# KiCad board AMLDC-2044B (2).kicad_pcb (continued)
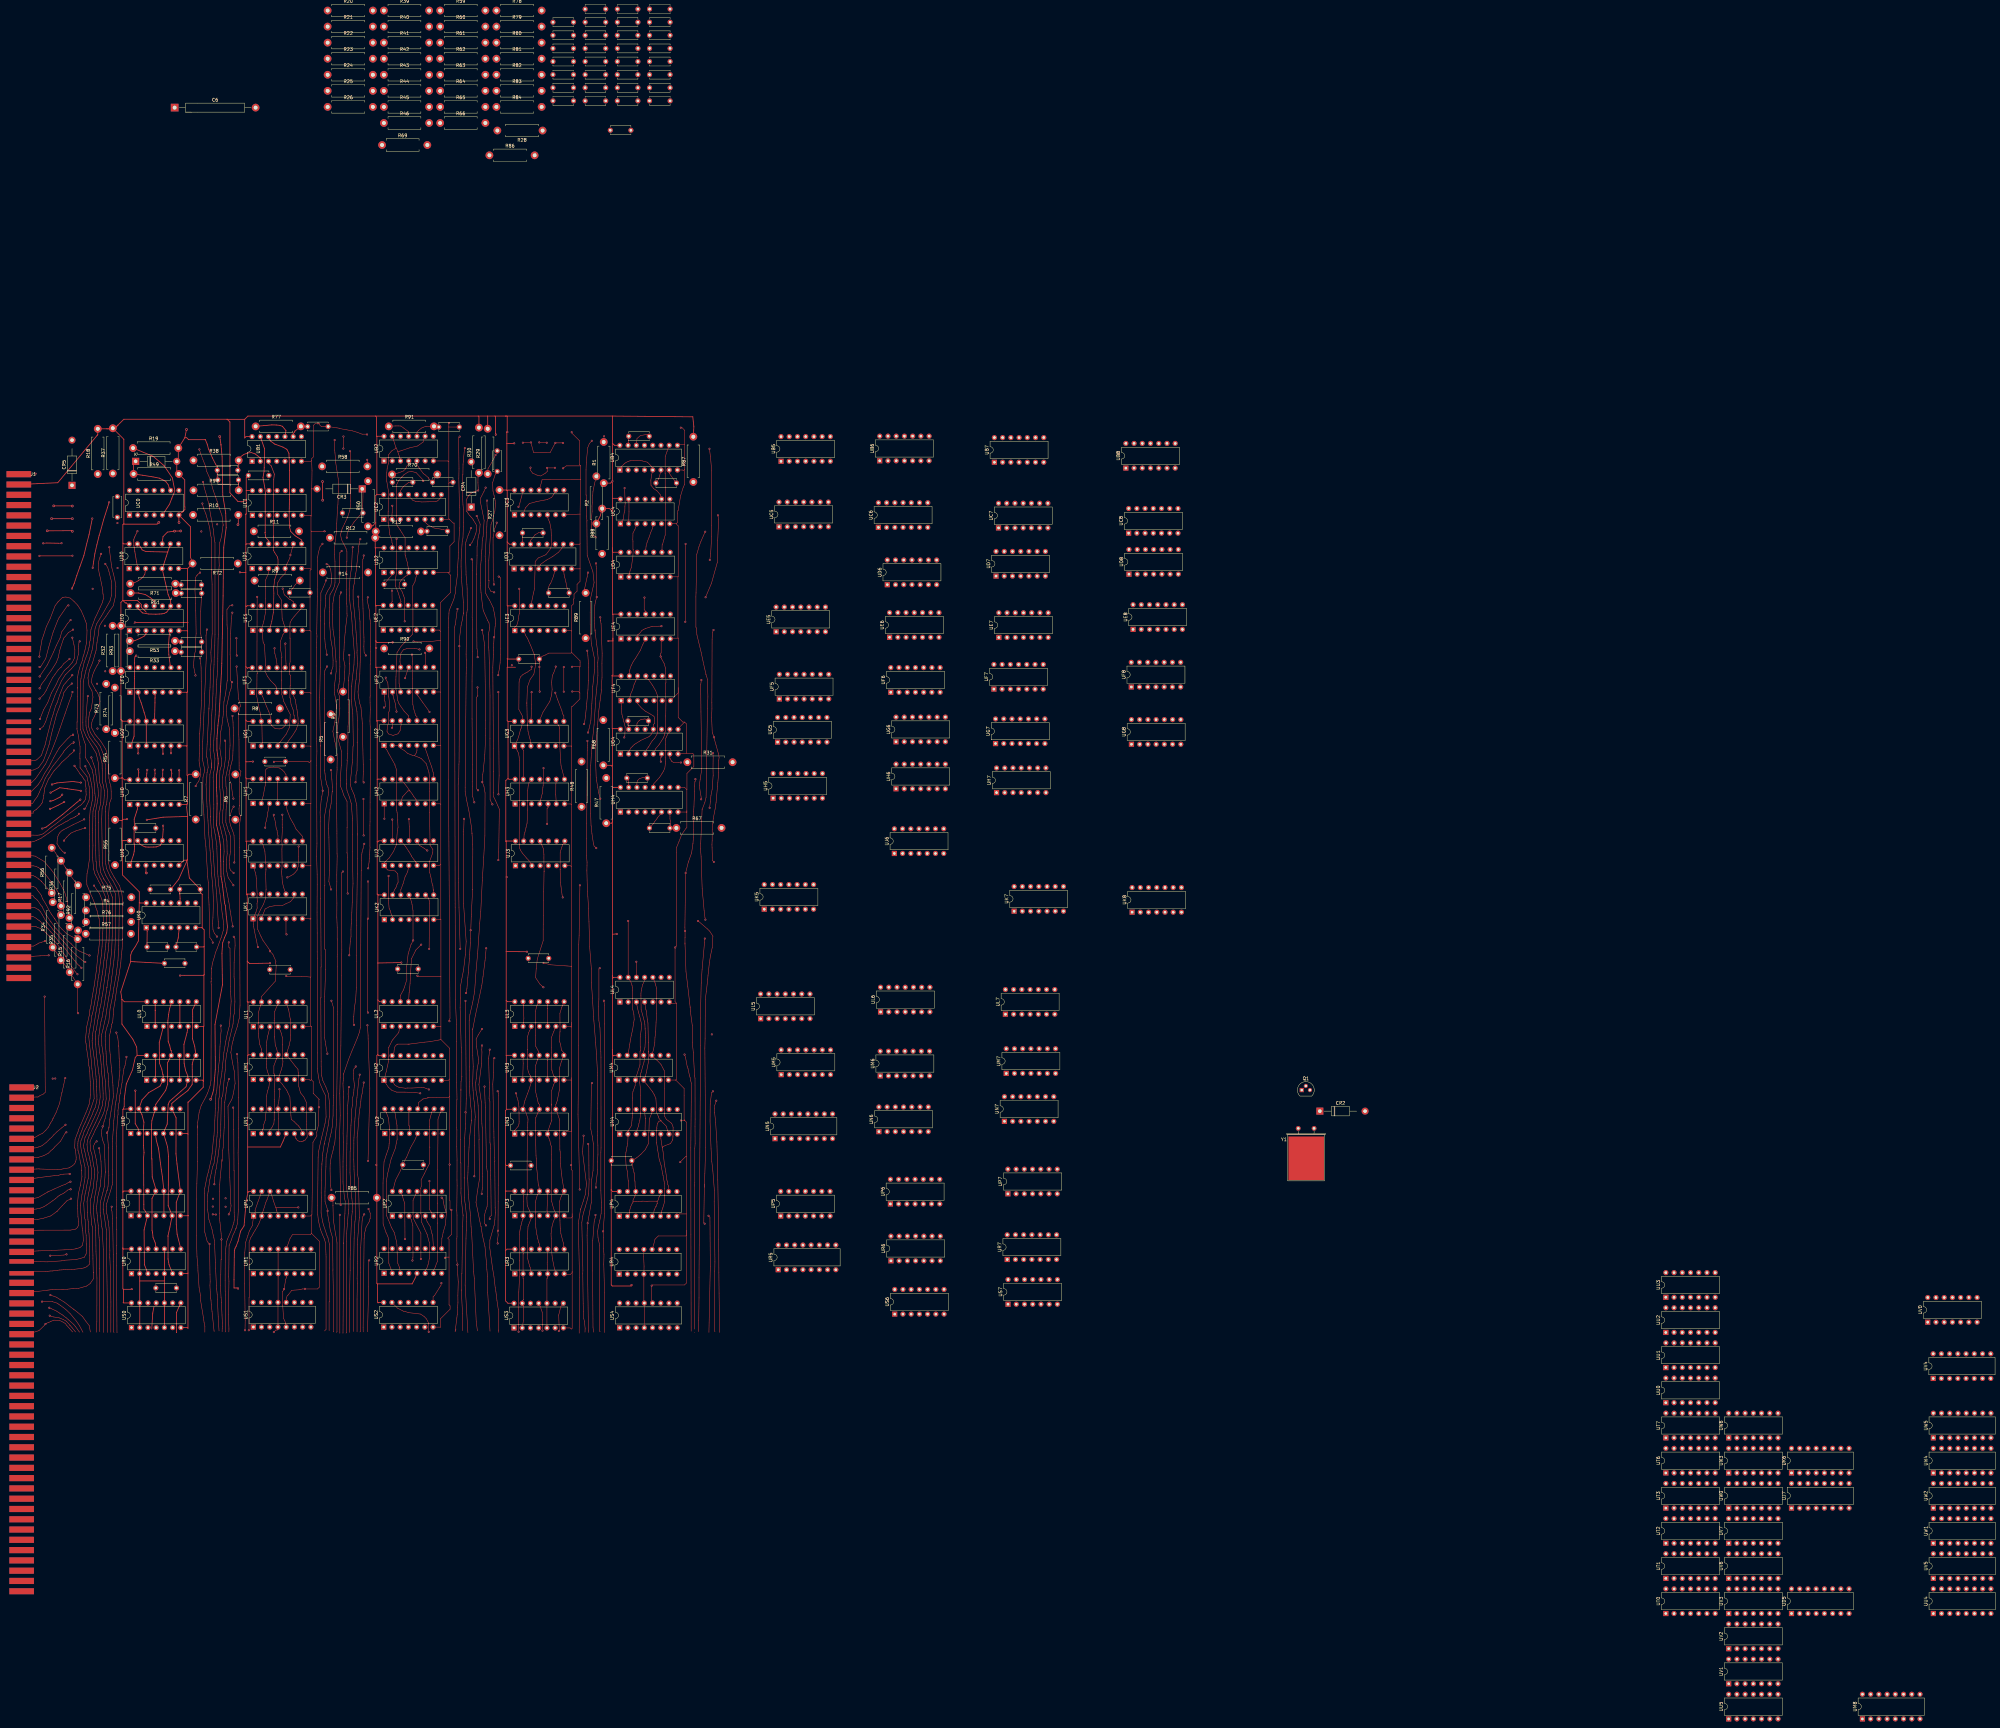
[diagram p0: board, top side]
## Routing (per net, layer and track width the routed paths; a pad name or vN(x,y) marks a point on that pad's centre or on a via; arc(x,y) is an arc through that point) (continued)
TRK6: length 21.4
  Top w0.15: 93.32,278.69 93.07,278.53 92.77,278.31 92.29,278.17 91.82,277.97 90.88,277.33 90.51,277.14 90.25,277.04 89.59,276.65 88.89,276.25 88.19,275.9 87.26,275.28 86.98,275.09 85.5,273.94 85.2,273.73 85.04,273.59 84.04,272.94 83.68,272.67 83.3,272.45 82.62,271.95 81.76,271.56 81.13,271.25 ; 81.16,271.26 80.38,270.95 J1.73 ; 94.29,279.54 v1(94.31,279.51) 94.29,279.41 93.94,279.07 93.2,278.61
UG4A: length 5.7
  Top w0.15: 280.39,295.44 280.28,295.34 v1(280.2,295.34) 280.2,295.25 279.52,295.27 277.87,295.39 277.35,295.74 277.32,295.74 277.15,296.08 276.85,296.6 276.77,296.69 UG4.7
WALLOUT: length 27.4
  Top w0.15: 92.72,301.57 v1(92.69,301.57) 92.72,301.32 91.95,301.14 90.85,300.11 89.72,298.91 89.45,298.39 88.67,297.33 87.13,295.3 86.36,294.36 85.61,293.26 85.08,292.38 84.66,291.7 83.91,290.49 82.95,288 82.42,286.93 82.11,286.16 81.53,284.92 80.69,283.78 80.04,282.77 J1.65
~{DCHM0}: length 142.3
  Top w0.15: v1(96.29,294.21) 96.98,292.58 97.55,291.52 98.26,288.46 98.33,287.87 98.53,286.12 98.62,285.18 98.43,283.71 98,281.5 97.8,280.71 97.63,278.48 97.64,277.4 97.61,273.22 97.6,271.44 97.63,269.78 97.63,269.32 97.55,265.45 97.26,263.43 97.01,261.75 96.81,261 96.73,258.77 96.78,257.56 97.26,256.46 97.78,255.07 98.4,253.72 99.18,251.87 99.36,251.05 99.9,249.62 100.26,248.08 100.55,247.07 100.72,245.24 100.8,244.16 100.71,241.56 100.68,240.08 100.38,237.26 100.12,235.4 99.8,231.91 99.67,230.93 99.02,226.34 98.43,223.07 98.03,220.32 97.71,218.94 97.54,217.39 96.7,213.63 96.39,210.4 96.33,209.22 96.52,208.57 96.72,206.78 97.21,203.57 97.37,201.84 97.49,201.19 97.66,199.89 97.8,196.75 97.95,195.7 97.85,192.68 97.75,191.63 97.47,189.85 96.9,188.3 96.52,187.31 94.94,183.63 94.27,182.13 94.04,181.31 93.78,180.7 93.11,178.89 93,176.48 93.1,176.14 93.27,175.63 93.47,173.4 93.44,172.66 93.33,172.21 93.03,171.48 92.38,170.86 91.27,170.17 89.41,169.86 88.81,169.73 87.62,169.63 82.11,169.83 81.83,169.86 81.29,169.83 J2.17
~{DCHP OUT}: length 8.7
  Top w0.15: J1.93 76.09,238.65 80.27,238.65 81.37,239.23 81.86,239.56 82.8,239.85 83.82,240.18 v1(83.82,240.23) 83.87,240.23 83.92,240.28
~{DCHR}: length 177
  Top w0.15: J2.35 76.63,141.27 84.61,141.15 88.84,141.44 89.86,141.64 93.41,141.86 94.81,142.21 95.98,142.59 96.49,143.48 96.55,143.7 96.73,144.6 96.67,146.36 96.56,146.93 96.55,149.37 96.35,150.68 96.23,154.13 96.04,154.82 95.8,159.23 95.93,160.09 96.22,162.15 96.49,163.26 96.63,164.22 97.2,166.99 97.2,170.55 96.62,172.81 96.11,175.32 95.85,176.25 95.74,177.09 96.22,179.59 96.86,180.75 97.29,181.96 97.95,183.3 98.59,184.71 99.55,186.77 100.06,187.93 100.32,188.72 100.68,190.3 100.88,192.05 100.63,197.97 100.48,199.4 99.97,203.19 99.72,205.3 99.5,208.3 99.35,209.73 99.36,210.26 99.37,210.73 99.5,212.29 99.72,212.88 100.1,215.56 100.43,217.07 100.76,219.26 101.08,220.54 101.4,222.69 101.65,223.94 102.18,227.97 102.41,229.65 102.74,232.11 102.92,234.09 103.38,237.26 103.36,238.65 103.56,239.54 103.62,240.4 103.79,248.14 103.69,248.24 103.69,250.64 103.69,251.1 103.59,252.74 103.6,253.27 103.43,254.1 103.18,254.83 102.83,255.83 102.36,256.96 101.68,258.09 101.56,258.26 101.12,259.26 100.83,259.72 99.88,261.98 99.66,264.63 99.6,264.7 99.48,268.25 99.46,269.72 99.42,274.71 99.44,275.88 99.42,277.99 99.32,278.69 99.52,280.38 99.94,282.82 100.06,283.58 100.34,285.25 100.21,287.53 99.99,288.38 99.83,289.86 99.56,291.68 99.46,292.94 99.21,293.9 98.75,295.13 v1(98.15,296.91)
~{INTP OUT}: length 9.5
  Top w0.15: J1.95 79.98,235.46 80.42,235.53 82.39,235.65 ; 85.07,235.72 v1(84.97,235.82) 84.27,235.78 83.71,235.71 82.3,235.64
~{INTR}: length 125.9
  Top w0.15: v1(98.99,257.33) 99.74,256.17 100.7,254.84 101.43,252.92 101.72,251 101.74,248.51 101.88,246.61 101.74,244.08 101.65,242.52 101.45,238.45 101.35,237.26 101.23,235.81 100.9,233.44 100.5,229.87 100.29,228.99 100.17,227.79 99.64,224.14 99.15,221.11 98.92,219.95 98.58,218.01 98.29,217.17 98.07,215.21 97.88,214.23 97.43,211.62 97.34,210.65 97.64,207.84 98,204.68 98.31,200.88 98.84,196.23 99.02,191.5 97.9,188.2 97.39,186.8 96.76,185.35 96.21,184.08 95.64,182.94 95.21,181.65 94.64,180.34 94.04,178.36 93.99,177.59 93.98,177.14 94.02,175.59 94.31,174.67 94.79,171.84 95,171.01 95.12,169.3 ; J2.29 76.97,150.91 91.67,150.94 93.32,151.27 93.83,151.73 94.09,152.26 94.24,153.62 94.01,155.09 93.95,157.58 93.81,158.45 94.15,162.2 94.79,164.91 ; 94.74,164.77 95.25,167.4 95.11,169.5
~{RQENB}: length 208
  Top w0.15: 101.35,277.85 101.48,281.21 102.01,282.93 102.13,285.11 102.14,286.68 101.89,288.29 101.58,289.23 101.56,292.75 101.49,293.47 101.48,295.03 100.33,299.12 99.77,300.19 97.57,303.19 96.93,304.78 96.57,306.06 96.5,306.69 96.48,308.12 96.52,309.29 96.94,315.15 v1(97.08,315.84) ; 101.36,277.95 101.56,264.5 101.58,264.29 101.84,262.4 102.61,260.5 104.55,257 105.67,254.66 105.56,240.99 105.55,240.92 105.43,237.59 105.37,236.81 105.11,234.11 104.98,233.09 104.48,229.14 104.14,226.41 103.84,224.43 103.62,223.25 102.94,219.21 102.64,217.04 101.75,212.95 101.36,211.44 101.35,210.63 101.39,207.96 101.71,205.94 101.76,205.38 101.82,204.55 102.25,198.64 102.48,196.92 102.74,191.45 102.54,190.06 102.21,187.95 101.71,186.55 100.57,184.21 99.94,182.9 99.35,181.87 98.81,180.56 98.17,179.37 97.74,178.22 97.89,175.55 98.29,174.49 98.87,170.79 99.17,169.66 99.15,168.15 98.89,165.38 98.72,163.92 98.12,161.08 97.78,160.09 97.97,156.28 98.27,152.69 98.43,151.96 98.64,143 98.64,142.25 98.74,137.8 98.76,137.85 98.77,135.9 97.78,134.44 96.7,133.67 94.12,132.94 92.49,132.9 90.77,132.7 89.5,132.68 89.12,132.62 86.04,132.59 80.75,131.91 77.49,132.38 J2.41
unconnected-(C14-Pad1): length 39.2
  Top w0.15: v1(222.54,347.9) 221.5,348.25 220.85,349.46 220.94,351.64 220.88,351.48 220.88,357.76 221.04,360.21 221.56,368.85 222.06,370.22 222.5,372.24 222.74,372.95 222.96,375.44 222.81,376.37 222.53,377.71 222.17,379.18 222.06,381.75 222.87,384.33 C14.1
unconnected-(J2-Pin_49-Pad49): length 18.5
  Top w0.15: 92.27,119.5 92.27,119.58 90.56,121.52 90.12,122.1 89.41,122.54 88.29,123.09 86.58,123.14 85.61,122.74 85.02,122.45 84.2,122.17 84.2,122.06 84.07,121.93 v1(83.96,121.93) 83.96,121.83 81.97,119.91 80.74,119.5 J2.49
unconnected-(R2-Pad2): length 19.4
  Top w0.15: v1(253.86,364.88) 253.09,365.52 252.69,366.76 252.55,368.88 252.52,369.58 252.78,372.94 252.75,374.53 252.85,375.56 252.98,377.77 253.04,379.07 253.23,379.94 253.46,381.21 R2.2
unconnected-(R3-Pad2): length 75.7
  Top w0.15: 176.97,354.4 176.96,354.39 ; 176.97,354.4 177.03,354.46 ; 176.97,354.4 177.03,354.46 ; R3.2 176.3,321.4 176.4,323.3 176.46,325.25 175.99,327.52 176.17,330.18 176.24,332.43 176.53,335.5 176.73,337.47 177.12,340.65 177.08,341.38 177.08,343.49 177.02,344.35 176.9,347.32 176.85,348.72 177.03,354.46 ; 178.15,376.05 178.15,384.73 178.13,384.75 178.13,391.37 v1(178.02,391.48) ; 177.03,354.46 177.03,357.45 177.06,357.49 177.06,360.45 176.79,361.41 176.44,362.17 175.99,362.99 175.39,364.2 175.07,365.78 175.29,366.48 175.58,367.48 176.32,369.06 177.23,371 177.94,373.15 178.23,374.95 178.15,376.14
unconnected-(R29-Pad1): length 6.5
  Top w0.15: v1(222.98,390.31) 222.08,388.53 220.62,386.03 R29.1
unconnected-(R30-Pad1): length 25.9
  Top w0.15: v1(215.08,362.5) 215.72,363.35 216.29,364.52 216.74,365.75 216.89,366.15 217.09,367.26 217.04,368.63 216.81,369.08 216.25,369.98 215.95,370.53 215.41,371.13 215.19,371.43 214.92,371.62 214.58,372.14 214.4,372.43 214.14,372.78 213.9,372.99 213.9,376.28 214.17,376.97 214.53,377.61 215.04,378.14 215.48,378.52 216.31,378.95 v1(217.59,379.34) 217.61,380.15 217.53,381.79 217.54,383.3 R30.1
unconnected-(R58-Pad2): length 2
  Top w0.15: v1(183.32,388.81) 183.38,388.75 R58.2
unconnected-(R85-Pad1): length 42
  Top w0.15: 172.76,158.48 172.76,160.51 R85.1 ; 172.76,158.48 172.76,158.56 ; 172.76,158.48 172.87,154.08 173.56,149.73 173.86,148.12 174,146.99 174,119.54 173.83,119.37
unconnected-(R89-Pad2): length 6.4
  Top w0.15: v1(251.51,353.99) 251.39,353.33 251.24,352.65 250.47,349.05 R89.2
unconnected-(US2-CK-Pad8): length 6.9
  Top w0.15: US2.8 203.67,130.35 204.18,130.86 205.75,133.35 206.09,133.84 v1(206.23,134.57) 206.09,134.62
unconnected-(US2-Qh-Pad13): length 16.7
  Top w0.15: 202.33,119.29 v1(202.33,119.54) 202.33,122.19 201.62,123.54 200.95,124.23 199.8,125.02 195.98,125.48 195.17,125.8 194.57,125.88 192.67,126.86 US2.13

## Text on the board
User.Comments: B C D E | F G H J  K | P R S | L M N | F G H J K | L  M N | 0   1   2   3   4   5   6   7   8
